# Altium PCB Fri3D_2018_00.PcbDoc (part 1 of 2) (continued)
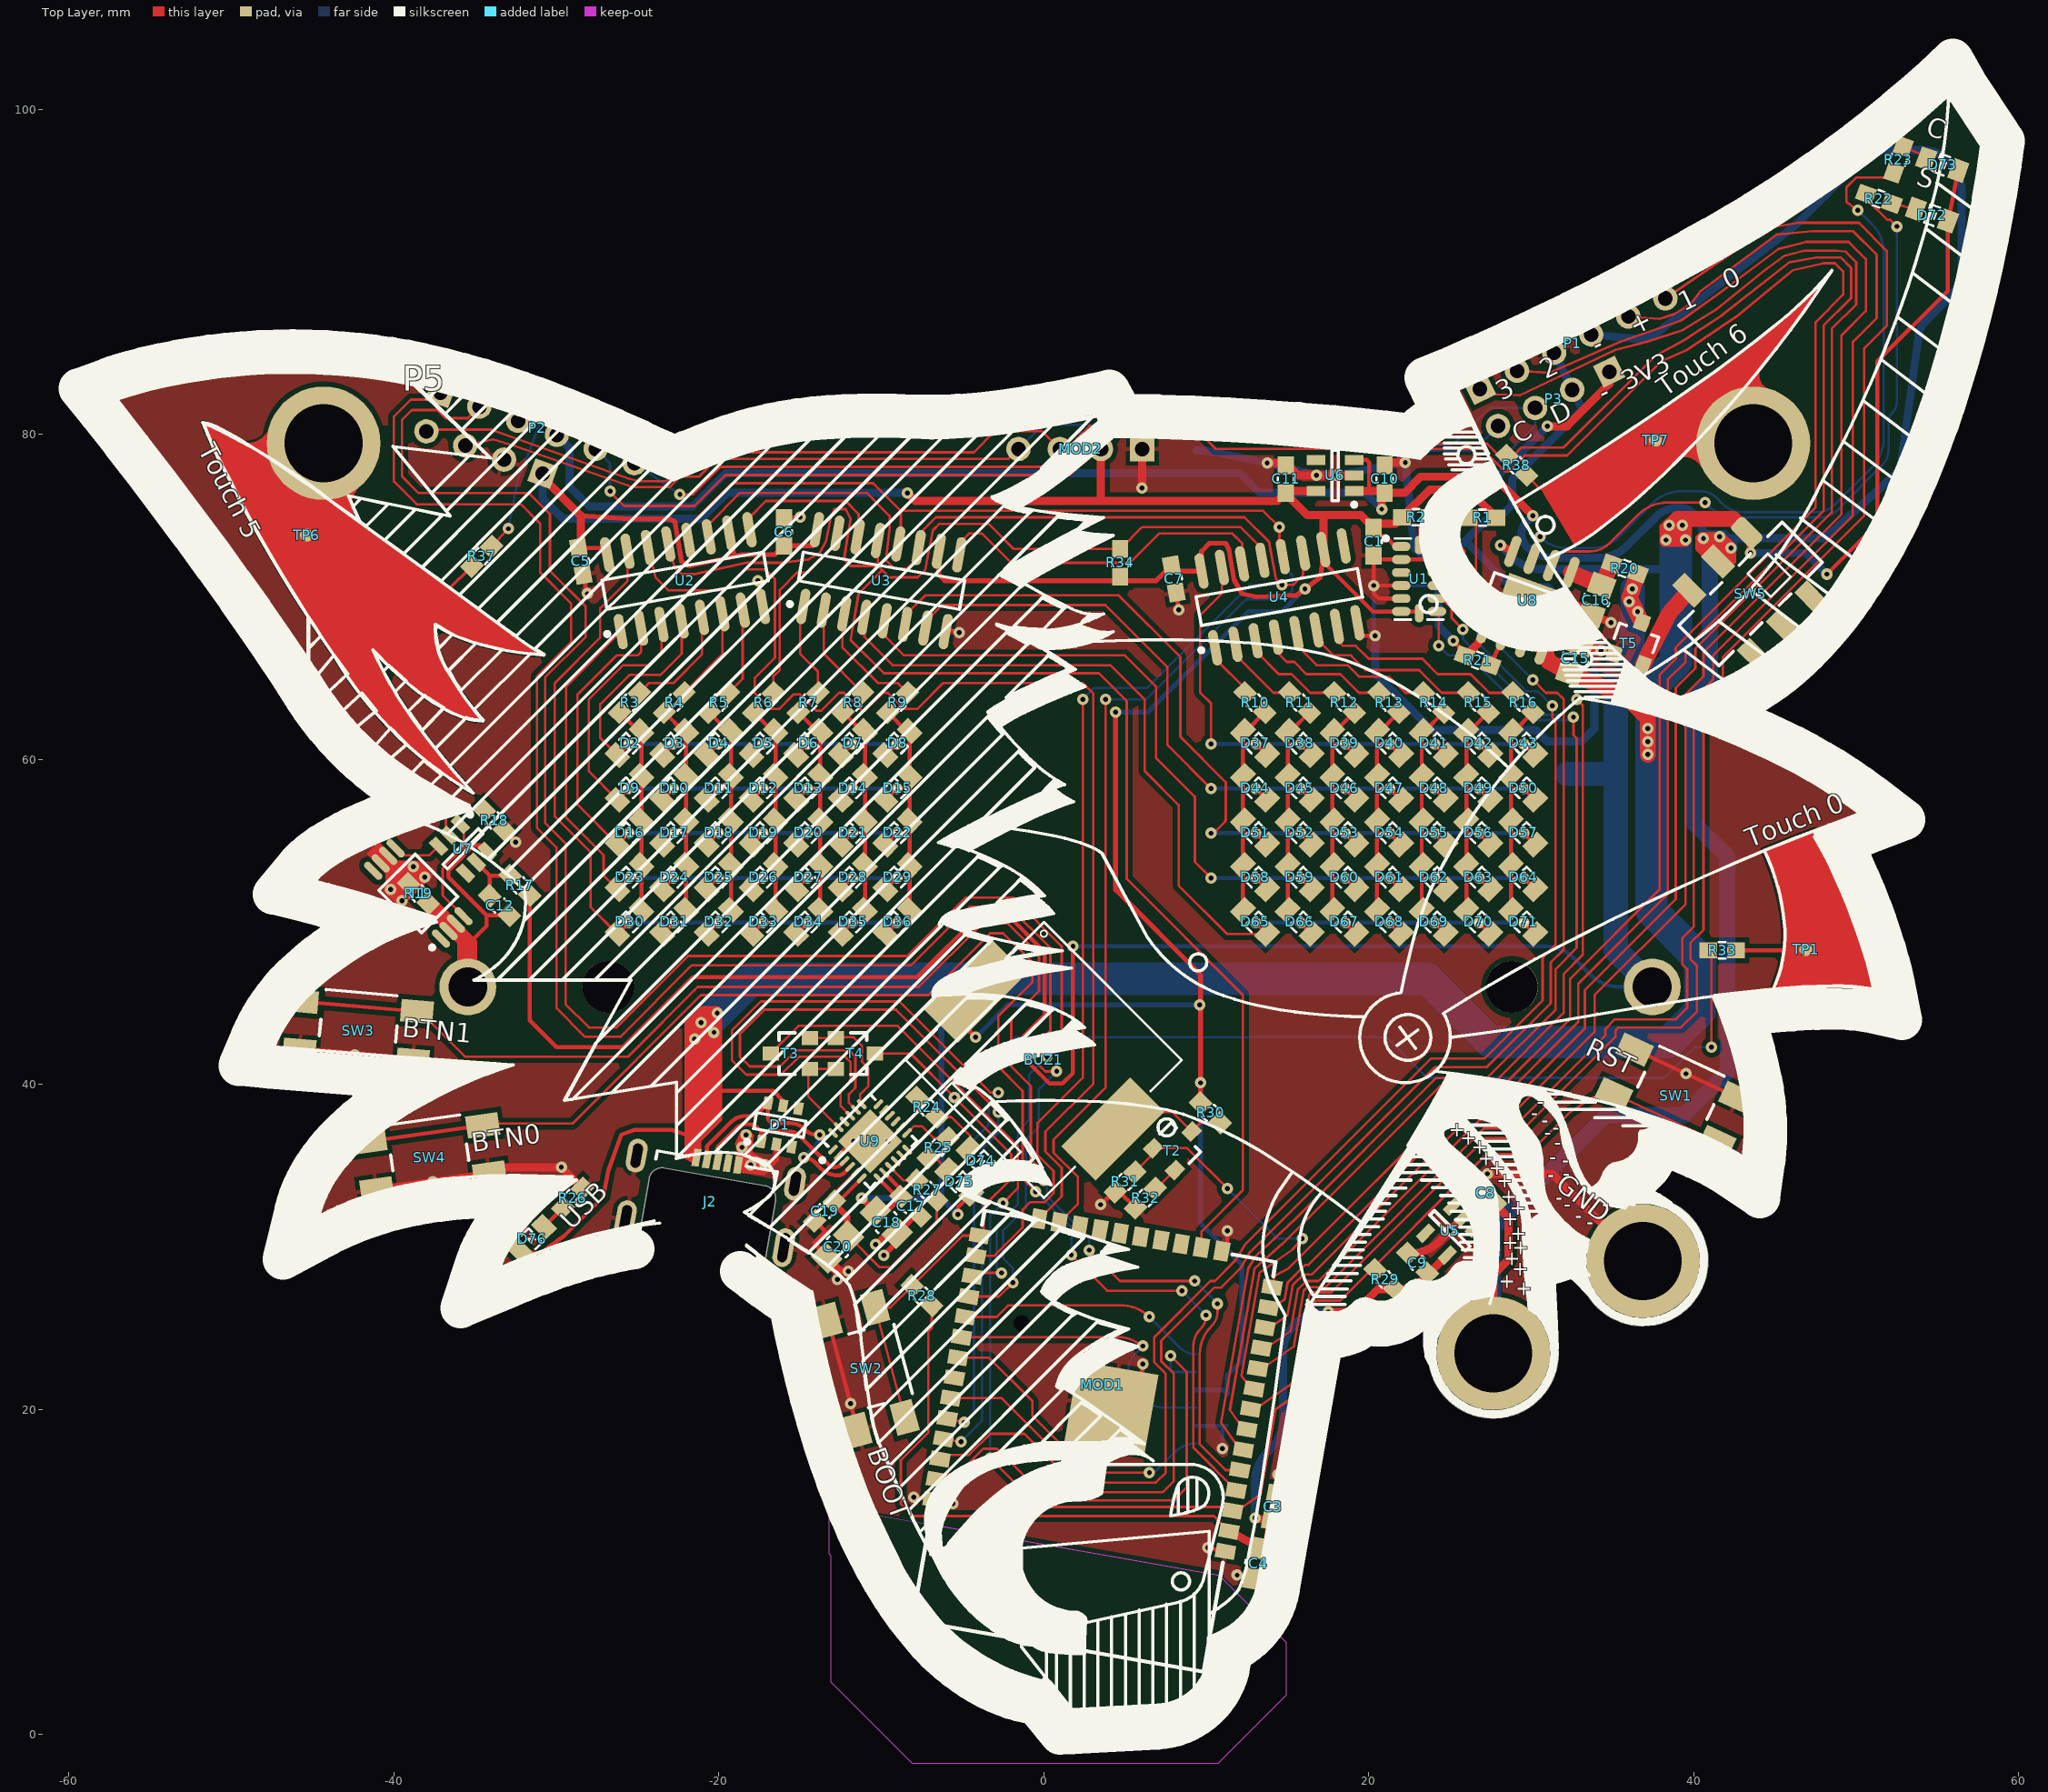
[diagram p0: Top Layer view]
## Components (designator, comment, footprint, x,y, rotation, side; value= is the part's Value field where it differs from the comment) (continued)
R11 "RESISTOR" R0603_N 15.75,63.5 r135 top value=100R
R12 "RESISTOR" R0603_N 18.5,63.5 r135 top value=100R
R13 "RESISTOR" R0603_N 21.25,63.5 r135 top value=100R
R14 "RESISTOR" R0603_N 24,63.5 r135 top value=100R
R15 "RESISTOR" R0603_N 26.75,63.5 r135 top value=100R
R16 "RESISTOR" R0603_N 29.5,63.5 r135 top value=100R
R17 "RESISTOR" R0603_N -32.25,52.25 r135 top value=100R
R18 "" R0603_N -33.826,56.25 r315 top value=1K
R19 "" R0603_N -38.5,51.75 r135 top value=0R
R20 "" R0603_N 35.75,71.75 r160 top value=0R
R21 "RESISTOR" R0603_N 26.7,66.1 r160 top value=1K2
R22 "" R0603_N 51.4,94.5 r160 top value=1K
R23 "" R0603_N 52.6,96.9 r250 top value=1K
R24 "" R0603_N -7.2,38.6 r135 top value=1K
R25 "" R0603_N -6.5,36.1 r45 top value=1K
R26 "" R0603_N -29,33 r45 top value=1K
R27 "" R0603_N -7.194,33.5 r135 top value=1K
R28 "RESISTOR" R0603_N -7.5,27 r135 top value=10K
R29 "RESISTOR" R0603_N 21,28 r135 top value=10K
R30 "" R0603_N 10.25,38.25 r315 top value=1K
R31 "RESISTOR" R0603_N 5,34 r225 top value=10K
R32 "RESISTOR" R0603_N 6.25,33 r225 top value=10K
R33 "RESISTOR" R0603_N 41.75,48.25 r0 top value=100R
R34 "RESISTOR" R0603_N 4.7,72.1 r90 top value=10K
R37 "RESISTOR" R0603_N -34.6,72.5 r225 top value=100R
R38 "RESISTOR" R0603_N 29.1,78.1 r315 top value=100R
SW1 "4.5x4.5mm tact SMD H3,8mm" WE_430181038816#1 38.9,39.3 r155 top value=430181038816
SW2 "4.5x4.5mm tact SMD H3,8mm" WE_430181038816#1 -10.922,22.5 r285 top value=430181038816
SW3 "4.5x4.5mm tact SMD H3,8mm" WE_430181038816#2 -42.2,43.3 r355 top value=430181038816
SW4 "4.5x4.5mm tact SMD H3,8mm" WE_430181038816#1 -37.8,35.5 r8 top value=430181038816
SW5 "Mini slide switch 2P2T" MSS22D18 43.5,70.184 r225 top value=MSS22D18
T1 "Dual N-Ch MOSFET Common Drain" TSSOP_8_65P -38.5,51.75 r135 top value=FS8205A
T2 "0.2A N-Ch MOSFET Vgs 3.2" SOT23-3 8.25,36.25 r315 top value=BSS138
T3 "0.2A N-Ch MOSFET Vgs 3.2" SOT23-3 -15.6,41.9 r90 top value=BSS138
T4 "0.2A N-Ch MOSFET Vgs 3.2" SOT23-3 -11.6,41.9 r270 top value=BSS138
T5 "3.1A P-Ch MOSFET Vgs -1v" SOT23-3 36.4,67.3 r340 top value=Si2301CDS
TP1 "TEST_PAD" TP_0.8mm 46.9,48.3 r90 top value="NO BOM"
TP6 "TEST_PAD" TP_0.8mm -45.375,73.8 r90 top value="NO BOM"
TP7 "TEST_PAD" TP_0.8mm 37.65,79.65 r90 top value="NO BOM"
U1 "3-Axis, ±2 g/±4 g/±8 g/±16 g Digital Accelerometer" AD_CC-14-1 23.1,71.1 r0 top value=ADXL345BCCZ
U2 "8-Bit Shift Registers With 3-State Output Registers" SOIC_N_16 -22.078,71 r100 top value=74HC595
U3 "8-Bit Shift Registers With 3-State Output Registers" SOIC_N_16 -10,71 r80 top value=74HC595
U4 "8-Bit Shift Registers With 3-State Output Registers" SOIC_N_16 14.5,70 r100 top value=74HC595
U5 "3V3 LDO 700mA 50mV" SOT23-5 25,31 r225 top value=XC6210B332MR
U6 "3V3 LDO 700mA 50mV" SOT23-5 17.925,77.475 r180 top value=XC6210B332MR
U7 "DW01-P single cell lithium protection" SOT23-6 -35.75,54.5 r315 top value=DW01-P
U8 "Single Cell LiIon charger max 1A" SOIC_N_8_TH 29.8,69.8 r70 top value=TP4056
U9 "USB to UART 3.3-5V" QFN_24 -10.694,36.5 r45 top value=CP2102N-A01-GQFN24

## Footprints (in the part's own frame and the unit in brackets; to place one, negate y for a bottom-side part, rotate by r counter-clockwise, add the part's x,y. Pads: shape width x height; smd on the part's side, far side on the other; paste and mask are expansions set on the pad)
AD_CC-14-1 [mm] "LGA 14"
  oval 1.145x0.55 smd: 1(-1.098,2) 2(-1.098,1.2) 3(-1.098,0.4) 4(-1.098,-0.4) 5(-1.098,-1.2) 6(-1.098,-2) 8(1.097,-2) 9(1.097,-1.2) 10(1.097,-0.4) 11(1.097,0.4) 12(1.097,1.2) 13(1.097,2)
  oval 0.55x1.145 smd: 7(0,-2.097) 14(0,2.098)
  silkscreen extent -2.18,-2.5 1.5,2.62, body extent -1.5,-2.5 1.5,2.5, height 1
C0603_N [mm] "Low density"
  rect 1.1x1 smd: 1(-0.85,0) 2(0.85,0)
  silkscreen extent -0.1,-0.5 0.1,0.5, body extent -0.8,-0.4 0.8,0.4, height 0.3
C0805_N [mm] "Low density"
  rect 1.3x1.5 smd: 1(-0.95,0) 2(0.95,0)
  silkscreen extent -0.1,-0.8 0.1,0.8, body extent -1,-0.62 1,0.63, height 0.78
CUI_CMT-1203-SMT [mm] "12x12x3mm piezo buzzer"
  rect 3x6 smd: 1(-6,0) 2(6,0)
  silkscreen extent -6,-6 6,6, body extent -6,-6 6,6, height 3.05
ESP-WROOM-32 [mm] "ESP-WROOM-32 Module"
  rect 1.2x0.9 smd: 1(-9.144,9.08) 2(-9.144,7.81) 3(-9.144,6.541) 4(-9.144,5.271) 5(-9.144,4.001) 6(-9.144,2.731) 7(-9.144,1.46) 8(-9.144,0.19) 9(-9.144,-1.079) 10(-9.144,-2.35) 11(-9.144,-3.62) 12(-9.144,-4.889) 13(-9.144,-6.16) 14(-9.144,-7.429) 25(9.144,-7.429) 26(9.144,-6.159) 27(9.144,-4.89) 28(9.144,-3.62) 29(9.144,-2.35) 30(9.144,-1.08) 31(9.144,0.19) 32(9.144,1.46) 33(9.144,2.73) 34(9.144,4) 35(9.144,5.271) 36(9.144,6.54) 37(9.144,7.81) 38(9.144,9.081)
  rect 0.9x1.2 smd: 15(-5.715,-9.08) 16(-4.447,-9.081) 17(-3.177,-9.081) 18(-1.907,-9.08) 19(-0.637,-9.08) 20(0.633,-9.081) 21(1.903,-9.081) 22(3.173,-9.08) 23(4.443,-9.081) 24(5.713,-9.081)
  rect 5x5 smd paste-10: 39(-0.7,1.6)
  Keep-Out Layer region: -9.017,10.605 9.017,10.605 9.017,16.574 -9.017,16.574
  silkscreen extent -9.1,-9 9.1,16.6, body extent -9.02,-8.95 9.02,16.57, height 2
HDR1X4 [mm] "Connector; Header; 4 Position"
  rect 1.5x1.5 hole 0.9: 1(0,0)
  round 1.5 hole 0.9: 2(2.54,0) 3(5.08,0) 4(7.62,0)
  silkscreen extent 8.89,-1.27 8.89,1.27, body extent -1.27,-1.23 8.89,1.27, height 8.2
HDR1X6 [mm] "Connector; Header; 6 Position"
  rect 1.5x1.5 hole 0.9: 1(0,0)
  round 1.5 hole 0.9: 2(2.54,0) 3(5.08,0) 4(7.62,0) 5(10.16,0) 6(12.7,0)
  silkscreen extent -1.27,-1.27 13.97,1.27, body extent -1.27,-1.23 13.97,1.27, height 8.2
LED_0805_BL [mm] "0805 LED BLUE"
  rect 1x1.3 smd: 1(-1.05,0) 2(1.05,0)
  silkscreen extent -0.3,-0.6 0.3,0.6, body extent -1.01,-0.62 1.01,0.62, height 1.1
LED_0805_GR [mm] "0805 LED GREEN"
  rect 1x1.3 smd: 1(-1.05,0) 2(1.05,0)
  silkscreen extent -0.3,-0.6 0.3,0.6, body extent -1.01,-0.62 1.01,0.63, height 1.1
LED_0805_RD [mm] "0805 LED RED"
  rect 1x1.3 smd: 1(-1.05,0) 2(1.05,0)
  silkscreen extent -0.3,-0.6 0.3,0.6, body extent -1.01,-0.62 1.01,0.62, height 1.1
MLX_0476420001 [mm] "Low Profile Micro USB Molex 0476420001"
  rect 0.45x1.1 smd: 1(-1.3,0) 2(-0.65,0) 3(0,0) 4(0.65,0) 5(1.3,0)
  oval 1.2x2.4 hole 0.6 slot 1.8 at 90 deg: MH1(-4.95,-4.52) MH4(4.95,-4.52)
  oval 1.2x2.1 hole 0.6 slot 1.5 at 90 deg: MH2(-4.95,-0.52) MH3(4.95,-0.52)
  silkscreen extent -3.75,-0.55 3.75,0, body extent -5.1,-6.93 5.1,0.3, height 1.82
MPD_BH-18650-PC [mm] "Battery holder for a single 18650 cell"
  round 3.2 hole 3.2 unplated: 0(-27.805,0) 0(27.805,0)
  round 3.5 hole 2.4: 1(36.45,0) 2(-36.45,0)
  silkscreen extent -38.85,-10.45 38.85,10.45, body extent -39.01,-10.4 38.64,10.4, height 23.37
MSS22D18 [mm] "SWITCH, DPDT, 0.1A, 12VDC, SMD"
  rrect50% 1.1x1.95 smd: 1(-2.5,-2.825)
  rect 1.1x1.95 smd: 2(-2.5,2.825) 3(0,-2.825) 4(0,2.825) 5(2.5,-2.825) 6(2.5,2.825)
  silkscreen extent -4.5,-1.75 4.5,1.75, body extent -4.52,-3.25 4.52,3.65, height 5.45
NXP_SOT457 [mm] "NXP SOT457 SOT23-6 package"
  rect 0.8x0.55 smd: 1(-1.2,0.95) 2(-1.2,0) 3(-1.2,-0.95) 4(1.2,-0.95) 5(1.2,0) 6(1.2,0.95)
  silkscreen extent -1.5,-1.55 0.5,1.92, body extent -1.18,-1.46 1.2,1.46, height 0.93
OLED_MOD_0.96_I2C [mm] "=Description"
  rect 1.5x1.5 hole 0.9: 1(-3.81,0)
  round 1.5 hole 0.9: 2(-1.27,0) 3(1.27,0) 4(3.81,0)
  body extent -13.65,-26.53 13.65,1.27, height 7
QFN_24 [mm] "24 pin QFN 4x4mm body"
  oval 0.75x0.25 smd: 1(-1.975,1.25) 2(-1.975,0.75) 3(-1.975,0.25) 4(-1.975,-0.25) 5(-1.975,-0.75) 6(-1.975,-1.25) 13(1.975,-1.25) 14(1.975,-0.75) 15(1.975,-0.25) 16(1.975,0.25) 17(1.975,0.75) 18(1.975,1.25)
  oval 0.25x0.75 smd: 7(-1.25,-1.975) 8(-0.75,-1.975) 9(-0.25,-1.975) 10(0.25,-1.975) 11(0.75,-1.975) 12(1.25,-1.975) 19(1.25,1.975) 20(0.75,1.975) 21(0.25,1.975) 22(-0.25,1.975) 23(-0.75,1.975) 24(-1.25,1.975)
  rect 2.8x2.8 smd paste-10: 25(0,0)
  silkscreen extent -3.02,-2.05 2.05,2.05, body extent -2,-2 2,2, height 0.95
R0603_N [mm] "Low density"
  rect 1.1x1 smd: 1(-0.85,0) 2(0.85,0)
  silkscreen extent -0.2,-0.5 0.2,0.5, body extent -0.8,-0.41 0.8,0.41, height 0.45
SOIC_N_8_TH [mm] "150 mil body width with Exposed Thermal Pad"
  oval 2x0.6 smd: 1(-2.5,1.905) 2(-2.5,0.635) 3(-2.5,-0.635) 4(-2.5,-1.905) 5(2.5,-1.905) 6(2.5,-0.635) 7(2.5,0.635) 8(2.5,1.905)
  rect 2.41x3.3 smd: 9(0,0)
  silkscreen extent -2.52,-2.5 0.9,2.88, body extent -3,-2.45 3,2.45, height 1.75
SOIC_N_16 [mm] "150 mil body width"
  oval 2.2x0.6 smd: 1(-2.4,4.445) 2(-2.4,3.175) 3(-2.4,1.905) 4(-2.4,0.635) 5(-2.4,-0.635) 6(-2.4,-1.905) 7(-2.4,-3.175) 8(-2.4,-4.445) 9(2.4,-4.445) 10(2.4,-3.175) 11(2.4,-1.905) 12(2.4,-0.635) 13(2.4,0.635) 14(2.4,1.905) 15(2.4,3.175) 16(2.4,4.445)
  silkscreen extent -2.52,-5.04 0.9,5.42, body extent -3,-5 3,5, height 1.75
SOT23-3 [mm] "SOT-23; 3 Leads; Body 3.1 x 2.5 mm, inc. leads (LxW max)"
  rect 0.85x1 smd: 1(-0.95,-1.2) 2(0.95,-1.2) 3(0,1.2)
  silkscreen extent -1.27,-0.3 1.28,0.7, body extent -1.5,-1.32 1.5,1.32, height 1.08
SOT23-5 [mm] "SOT23, 5-Leads, Body 3,1x3,2mm (max), Pitch 0,95mm, IPC Medium Density"
  rect 1.15x0.6 smd: 1(-1.175,0.95) 2(-1.175,0) 3(-1.175,-0.95) 4(1.175,-0.95) 5(1.175,0.95)
  silkscreen extent -1.3,-1.55 0.2,1.92, body extent -1.4,-1.45 1.4,1.45, height 1.45
SOT23-6 [mm] "SOT23, 6-Leads, Body 3,1x3,2mm (max), Pitch 0,95mm, IPC Medium Density"
  rect 1.15x0.6 smd: 1(-1.175,0.95) 2(-1.175,0) 3(-1.175,-0.95) 4(1.175,-0.95) 5(1.175,0) 6(1.175,0.95)
  silkscreen extent -1.3,-1.55 0.2,1.92, body extent -1.5,-1.55 1.5,1.55, height 1.4
TFP09-2-12B [mm] "tfp09-2-12b"
  round 0 hole 1 unplated: 0(-4.88,-5.35) 0(3.1,-5.35)
  rect 0.7x2 smd: 1(2.3,5.35) 2(1.2,5.35) 3(0.1,5.35) 4(-1,5.35) 5(-2.1,5.35) 6(-3.2,5.35) 7(-4.3,5.35) 8(-5.4,5.35) 9(-6.5,5.35)
  rect 1.4x1.6 smd: G1(-7.9,4.65)
  rect 1.4x2.4 smd: G2(-7.8,-4.95) G3(7.9,-4.95)
  rect 1.6x1.4 smd: G4(7,4.65)
  silkscreen extent -7.3,-9.35 7.4,5.15, body extent -7.93,-14.65 8.07,5.9, height 1.95
TP_0.8mm [mm] "0.8mm pad"
  round 0.8 smd paste-10 mask+0.05: 1(0,0)
TSSOP_8_65P [mm] "TSOP, 8-Leads, Body 3,00x4,40mm, Pitch 0,65mm,  IPC Medium Density"
  oval 1.4x0.45 smd: 1(-2.95,0.975) 2(-2.95,0.325) 3(-2.95,-0.325) 4(-2.95,-0.975) 5(2.95,-0.975) 6(2.95,-0.325) 7(2.95,0.325) 8(2.95,0.975)
  silkscreen extent -3.07,-1.57 1.85,1.87, body extent -3.2,-1.5 3.2,1.5, height 1.2
WE_430181038816#1 [mm] "Miniature SMD TACT SW"
  rect 2x1.4 smd: 1(-3.5,1.5) 1(3.5,1.5) 2(-3.5,-1.5) 2(3.5,-1.5)
  silkscreen extent -2.35,-2.35 2.35,2.35, body extent -3.75,-2.25 3.75,2.25, height 3.8
WE_430181038816#2 [mm] "Miniature SMD TACT SW"
  rect 1.8x1.4 smd: 1(-3.5,1.5)
  rect 2x1.4 smd: 1(3.5,1.5) 2(-3.5,-1.5) 2(3.5,-1.5)
  silkscreen extent -2.35,-2.35 2.35,2.35, body extent -3.75,-2.25 3.75,2.25, height 3.8
WE_620102131822 [mm]
  rect 1.5x3.4 smd: 1(0,0) 2(2,0)
  rect 1.4x3.1 smd: M1(-2.3,-5.65) M2(4.3,-5.65)
  silkscreen extent -3,-7.23 5,0.37, body extent -3,-7.23 5,1.37, height 5.65

## Part data
BAT1: library part "18650 Battery holder BH-18650-PC", "=Description", Supplier 1=Digikey
BUZ1: library part "BUZ # CUI CMT-1203-SMT", "Crystal Oscillator", Supplier Part Number 1=102-2197-1-ND, Supplier 1=Digikey, Supplier 2=Aliexpress, Supplier Part Number 2=KLJ-1230
C1 C2 C3 C5 C6 C7 C12 C17 C19: library part "CAP # 100nF 16V 0603", "Capacitor Ceramic"
C4 C15 C16 C18 C20: library part "CAP # 10uF 10V 0805", "Capacitor Ceramic", Supplier Part Number 1=2320859, Supplier 1=Farnell
C8 C9 C10 C11: library part "CAP # 1uF 16V 0603", "Capacitor Ceramic", Supplier Part Number 1=2320814, Supplier 1=Farnell
D1: library part "TVS # IP4220CZ6 Dual USB", "=Description", Supplier Part Number 1=2143248, Supplier 1=Farnell
D2 D3 D4 D5 D6 D7 D8 D9 D10 D11 D12 D13 D14 D15 D16 D17 D18 D19 D20 D21 D22 D23 D24 D25 D26 D27 D28 D29 D30 D31 D32 D33 D34 D35 D36 D37 D38 D39 D40 D41 D42 D43 D44 D45 D46 D47 D48 D49 D50 D51 D52 D53 D54 D55 D56 D57 D58 D59 D60 D61 D62 D63 D64 D65 D66 D67 D68 D69 D70 D71 D76: library part "LED # Blue 0805", "=Description", Supplier Part Number 1=2217980, Supplier 1=Farnell
D72 D75: library part "LED # Green 0805", "=Description", Supplier Part Number 1=2099239, Supplier 1=Farnell
D73 D74: library part "LED # Red 0805", "=Description", Supplier Part Number 1=2099236, Supplier 1=Farnell
J1: library part "MicroSD TFP09-2-12B Push-Push", "=Description", Supplier Part Number 1=TFP09-2-12B, Supplier 1=AliExpress
J2: library part "USB # Micro B in-board Molex 0476420001", Supplier Part Number 1=WM1398TR-ND, Supplier 1=Digikey, Supplier 2=Aliexpress, Supplier Part Number 2="Micro USB M033"
MOD1: library part "WiFi # MOD ESP-WROOM-32", "WiFi # MOD ESP-WROOM-32", Supplier Part Number 1=ESP-WROOM-32, Supplier 1=Espressif
MOD2: library part "OLED MOD SSD1306 0.96in I2C 128x64", Supplier 1=Aliexpress
P1 P2: library part "Pin Header 2.54mm 6way"
P3 P5: library part "Pin Header 2.54mm 4way"
P4: library part "HDR # SHR 2.0mm 2way - 620102131822", Supplier 1=Wurth
R1 R2 R18 R22 R23 R24 R25 R26 R27 R30: library part "RES # 1K 0603"
R3 R4 R5 R6 R7 R8 R9 R10 R11 R12 R13 R14 R15 R16 R17 R33 R37 R38: library part "RES # 100R 0603"
R19 R20: library part "RES # 0R 0603", Supplier Part Number 1=2447743, Supplier 1=Farnell
R21: library part "RES # 1K2 0603"
R28 R29 R31 R32 R34: library part "RES # 10K 0603", Supplier Part Number 1=2502397, Supplier 1=Farnell
SW1 SW2 SW3 SW4: library part "SW # TACT small 4.5x4.5mm SMD WS-TASV", Supplier Part Number 1=430181038816, Supplier 1=Wurth
SW5: library part "SW # 2P2T mini slide MSS22D18", Supplier Part Number 1=MSS22D18, Supplier 1=AliExpress
T1: library part "FS8205A Dual N-Ch common Drain for DW01-P", "=Description", Supplier Part Number 1=FS8205A, Supplier 1=AliExpress
T2 T3 T4: library part "BSS138 N-Ch MOSFET 0.2A 3.2Vgs 60Vds", Supplier Part Number 1=2432717, Supplier 1=Farnell
T5: library part "Si2301CDS P-Ch MOSFET 3.1A", "=Description", Supplier Part Number 1=Si2301CDS, Supplier 1=AliExpress
TP1 TP6 TP7: library part "TP # 0.8mm"
U1: library part "ACCELERO # ADXL345", "=Description", Supplier Part Number 1=1853935, Supplier 1=Farnell, Supplier 2=Digikey, Supplier Part Number 2=ADXL345BCCZ-ND
U2 U3 U4: library part "IOEXP # SHIFT 74HC595 8-bit", "=Description", Supplier Part Number 1=1278491, Supplier 1=Farnell
U5 U6: library part "LDO # 3V3 XC6210B33", "=Designator", Supplier Part Number 1=1057803, Supplier 1=Farnell
U7: library part "PWR # DW01-P Lithium protection", "=Description", Supplier Part Number 1=DW01-P, Supplier 1=Aliexpress
U8: library part "CHG # TP4056 LiIon 1A", "=Description", Supplier Part Number 1=TP4056, Supplier 1=Aliexpress
U9: library part "CP2102N # QFN24 USB UART", "=Description", Supplier Part Number 1=2577278, Supplier 1=Farnell, Supplier 2=Digikey, Supplier Part Number 2=336-3693-ND

## Free pads (board coordinates)
  round 7 hole 4.8: 0(-44.333,79.456) 0(27.667,23.456) 0(36.873,29.136) 0(43.667,79.456)

## Via types
v1: diameter 0.7, hole 0.3, Top Layer to Bottom Layer, tented top, 207 vias

## Nets (pads, with @x,y where several pads share a name; then routed paths per layer and width w, separated by ;. In a path a pad name is that pad's centre, name@x,y a point inside that pad or via, vN(x,y) a via of type N, cw(c..) or ccw(c..) an arc to the next point about the centre after c; other vN are vias at no path point)
3V3_AUX: BUZ1.1 C1.1 C2.1 C5.1 C6.1 C7.1 C11.1 J1.4 MOD2.2 P3.1 P5.1 R1.1 R2.1 R30.1 R34.1 U1.1 U1.6 U1.7 U2.10 U2.16 U3.10 U3.16 U4.10 U4.16 U6.5 | length 234.6
  Top Layer w0.25: C5.1@-28.648,73 -27,73 -26.872,72.872 U2.16@-26.872,72.592 ; C11.1@14.825,76.425 C11.1@14.9,76.425 ; U4.10@17.21,72.915 17.21,72.151 20.261,69.1 U1.6@22.003,69.1 23.003,69.1 U1.7@23.1,69.003 ; C1.1@20.3,74.25 20.999,73.551 21.199,73.551 21.65,73.1 U1.1@22.003,73.1
  Top Layer w0.3: -28.5,75 -25.5,74.8 -23.037,74.8 -22.8,74.681 -22.7,74.6 -22.3,72.2 -21.8,71.9 -20.1,72.263 -19.045,72.5 ; U2.10@-19.23,73.23 U2.10@-19.23,73.312 ; U3.16@-13.961,74.135 -13.961,73.439 -14.25,73.15 C6.1@-16,73.15 -16.55,72.6 -18.6,72.6 -19.045,72.5 ; U3.10@-6.456,72.812 -6.456,71.356 -6.1,71 6.915,71 C7.1@7.852,71.937 8.198,71.592 U4.16@9.706,71.592 9.706,72.806 10.2,73.3 11.2,73.3 11.4,72.9 11.701,71.07 12.2,70.2 13.1,70 15.542,70.1 v1(16.072,70.5) 17,71.2 17.1,71.7 U4.10@17.21,72.915 ; BUZ1.1@-4.243,45.743 -4.8,43.5 v1(-4.2,42.9) ; v1(4.425,62.9) 4.425,51.975 9.649,46.751 v1(9.649,40.1) R30.1@9.649,38.851 ; U2.10@-19.23,73.312 -19.23,73.777 U2.10@-19.368,73.915 U2.10@-19.23,73.312 ; U2.10@-19.23,73.312 -19.045,72.5
  Top Layer w0.5: P5.1@-30.839,77.582 -30.839,77.339 -28.5,75 -28.5,73.185 C5.1@-28.648,73.037 ; v1(-8.4,76.4) -7.9,75.9 3.52,75.9 ; MOD2.2@3.52,79.1 3.52,75.9 ; C11.1@14.825,76.425 C11.1@14.85,76.4 ; C11.1@14.9,76.4 C11.1@14.85,76.4 ; C11.1@14.9,76.425 15,76.525 U6.5@16.75,76.525 ; U4.10@17.21,72.915 17.21,75.025 ; R1.1@27.85,74.875 26.625,76.1 v1(26.625,76.132) 26.625,76.175 26.2,76.6 23.75,76.6 R2.1@22.05,74.9 21.65,74.5 20.55,74.5 C1.1@20.3,74.25 19.525,75.025 17.21,75.025 ; v1(30.993,80.5) 32.2,80.5 34.8,83.1 34.8,83.863 P3.1@34.606,84.057 ; 3.52,75.9 14.35,75.9 C11.1@14.85,76.4 ; C11.1@14.85,76.4 14.875,76.375 16.225,75.025 17.21,75.025
  Bottom Layer w0.3: v1(-4.2,42.9) -2.2,44.9 v1(9.6,44.9) ; v1(4.425,62.9) 6.4,62.9 12.6,69.1 14.672,69.1 v1(16.072,70.5) ; J1.4@9.35,21.2 11.05,21.2 11.3,20.95 11.3,22.1 12.2,23 12.2,28.9 9.649,31.451 v1(9.649,40.1)
  Bottom Layer w0.5: P5.1@-30.839,77.582 -30.839,76.039 -29.604,74.804 -21.096,74.804 -19.5,76.4 v1(-8.4,76.4) ; v1(26.625,76.132) v1(30.993,80.5)
3V3_ESP: C3.1 C4.1 C9.1 MOD1.2 R28.1 R29.1 U5.5 | length 62.8
  Top Layer w0.15: R28.1@-6.899,26.399 -6.899,25.001 -7.1,24.8 -7.1,18.588 -8.8,16.888 -8.8,14.2 -8.034,13.434 10.476,13.434 MOD1.2@11.399,12.511
  Top Layer w0.5: MOD1.2@11.399,12.511 C4.1@13.365,11.436 13.584,11.496 13.729,11.751 C3.1@13.952,13.163 v1(13,13.3) ; v1(17.5,26) 19.174,26 20.573,27.399 R29.1@21.601,27.399 22.742,27.399 U5.5@24.841,29.497
  Bottom Layer w0.5: v1(13,13.3) 13,15.548 cw(c15.54,15.548) 13.744,17.344 13.978,17.578 ccw(c12.182,19.374) 14.722,19.374 14.722,23.46 cw(c17.262,23.46) 17.262,26 v1(17.5,26) v1@17.5,25.89
3V3_USB: C19.1 C20.2 R27.1 U9.5 U9.6 | length 16.4
  Top Layer w0.15: C19.1@-12.843,32.601 C19.1@-12.826,32.601 ; C20.2@-12.023,30.672 -10.101,28.75 -9.444,28.75 -6.594,31.601 R27.1@-6.594,32.899
  Top Layer w0.25: C19.1@-12.843,32.601 -13.093,32.601 -13.093,33.04 U9.5@-11.561,34.573 ; C19.1@-12.826,32.601 U9.6@-11.207,34.22
  Top Layer w0.4: C19.1@-13.093,32.601 -12.834,32.601 -12.1,31.867 -12.1,31.156 -12.023,31.078 C20.2@-12.023,30.672
ACC.INT1: MOD1.6 U1.8 | length 68.5
  Top Layer w0.15: MOD1.6@12.281,17.514 12.047,17.555 10.917,19.169 12.594,28.682 13.058,29.445 15.512,31.746 24.16,40.395 27.295,40.395 31.5,44.6 31.5,47.1 32.8,48.4 32.8,61.3 32.6,61.5 v1(32.6,62.6) ; U1.8@24.198,69.1 24.3,68.998 v1(24.3,67)
  Bottom Layer w0.15: v1(24.3,67) 24.9,66.4 26.118,66.4 30.093,62.425 32.425,62.425 v1(32.6,62.6)
ACC.INT2: MOD1.7 U1.9 | length 68.6
  Top Layer w0.15: MOD1.7@12.501,18.765 12.267,18.806 11.449,19.975 12.984,28.681 14.704,30.204 24.4,39.9 27.5,39.9 31.995,44.395 31.995,46.795 33.175,47.975 33.175,63.325 v1(32.8,63.7) ; U1.9@24.198,69.9 24.5,69.9 25.1,69.3 25.1,68.7 v1(25.8,68)
  Bottom Layer w0.15: v1(25.8,68) 25.8,67.4 29.5,63.7 29.8,63.7 30.775,62.725 31.825,62.725 v1(32.8,63.7)
BTN.0: MOD1.4 SW4.1 | length 89.2
  Top Layer w0.15: SW4.1@-34.543,37.473 -34.543,37.586 -29.014,37.586 -21.1,45.5 -7.1,45.5 -3.3,49.3 -2.5,49.3 -0.7,47.5 -0.7,46.3 -2.8,44.2 -2.8,41.1 -1.3,39.6 -1.3,34.2 v1@-0.5,33.4 ; v1(1.693,29.5) 3.893,27.3 v1(8.493,27.3) ; v1(9.993,25.8) cw(c8.769,25.8) 9.634,24.934 ccw(c10.683,23.886) 9.2,23.886 9.2,17.652 MOD1.4@11.84,15.012
  Top Layer w0.25: SW4.1@-41.475,36.498 SW4.1@-34.543,37.473
  Bottom Layer w0.15: v1(-0.507,33.4) 1.7,31.193 v1@1.7,29.5 ; v1(8.493,27.3) v1(9.993,25.8)
BTN.1: MOD1.5 SW3.1 | length 92.8
  Top Layer w0.15: SW3.1@-38.389,44.489 -35.6,41.7 -25.6,41.7 -21.3,46 -7.7,46 -3.8,49.9 -2.2,49.9 -0.3,48 -0.3,45.755 -2,44.055 -2,41.1 -0.8,39.9 -0.8,35.4 0,34.6 v1@0,34.1 ; v1(2.793,29.8) 4.693,27.9 v1(9.293,27.9) ; v1(10.693,26.5) 10.693,26.049 cw(c9.351,26.049) 10.3,25.1 ccw(c11.99,23.41) 9.6,23.41 9.6,17.852 11.189,16.263 MOD1.5@12.06,16.263
  Top Layer w0.25: SW3.1@-45.556,45.099 SW3.1@-38.583,44.489 SW3.1@-38.389,44.489
  Bottom Layer w0.15: v1(-0.007,34.1) 0.2,33.893 0.2,33.117 2.8,30.517 v1@2.8,29.8 ; v1(9.293,27.9) v1(10.693,26.5)
BUZZER: MOD1.9 R31.1 T2.1 | length 24.4
  Top Layer w0.15: R31.1@5.601,34.601 6.73,35.73 T2.1@6.73,36.073 8.827,36.073 v1@11.3,33.6 ; MOD1.9@12.943,21.266 12.708,21.307 12.173,22.071 13.294,28.425 15.3,29.83 v1(15.904,30.522)
  Bottom Layer w0.15: v1(11.293,33.6) 14.371,30.522 v1(15.904,30.522)
CP2102.DTR: T3.1 T4.2 U9.23 | length 6.1
  Top Layer w0.15: T4.2@-12.8,40.95 -14.5,40.95 -14.5,39.245 U9.23@-12.621,37.366
CP2102.RTS: T3.2 T4.1 U9.19 | length 7.4
  Top Layer w0.15: T3.2@-14.4,42.85 T4.1@-12.75,42.85 ; T4.1@-12.7,42.9 -11.7,42.9 -11.2,42.4 -11.2,41.4 -10.8,41 -10.8,39.9 -11.3,39.4 -11.3,38.873 U9.19@-11.207,38.78
ESP.BOOT: MOD1.25 R28.2 R33.1 SW2.1 T4.3 | length 88.3
  Top Layer w0.15: T4.3@-10.4,41.9 -8.2,41.9 v1(-5.5,39.2) -2,35.7 -2,34.2 -3.7,32.5 -3.7,30.79 -3.605,30.695 MOD1.25@-3.965,30.695 -5.007,30.695 R28.2@-8.101,27.601 -9.433,26.269 SW2.1@-10.379,26.269 SW2.1@-8.568,19.507 ; R33.1@40.9,48.25 41.1,48.05 v1(41.1,42.3)
  Bottom Layer w0.15: v1(-5.5,39.2) -1.8,42.9 21.1,42.9 23.6,40.4 38.2,40.4 40.1,42.3 v1(41.1,42.3)
ESP.RESET: MOD1.3 R29.2 SW1.1 T3.3 | length 100.5
  Top Layer w0.15: T3.3@-16.8,41.9 -15.1,43.6 -9,43.6 -1.6,36.2 -1.6,33.6 v1@-2.504,32.696 ; v1(-3.3,17) -0.3,14 11.381,14 MOD1.3@11.619,13.762 11.854,13.72 13.334,14.757 14.256,19.989 15.653,20.967 16.645,26.591 16.8,26.7 18.245,26.7 27.245,35.7 29.8,35.7 32.4,38.3 33.8,39.2 SW1.1@35.094,39.42 SW1.1@41.438,36.461
  Bottom Layer w0.15: v1(-3.3,17) -3.3,31.9 v1@-2.5,32.7
  other v1: -2.507,32.7
GBAT: BAT1.2 C12.2 R19.1 T1.2 T1.3 U7.6 | length 21
  Top Layer w0.25: -36.319,53.471 -36.319,53.481 ; BAT1.2@-35.45,46 -35.45,48.24 ; U7.6@-34.247,54.341 -34.606,54.7 -35.1,54.7 -36.319,53.481 ; C12.2@-32.899,50.399 -34.299,50.399 ; -36.319,53.481 -36.65,53.15 -36.65,52.75 -34.299,50.399 ; -35.45,48.24 T1.2@-36.644,49.434 -37.899,50.689 R19.1@-37.899,51.149 -37.439,51.149 T1.3@-36.184,49.894 -35.45,49.16 -35.45,48.6 ; -35.45,48.24 -35.45,48.6 ; -35.45,48.6 -34.299,49.751 -34.299,50.399
GND: C1.2 C2.2 C3.2 C4.2 C5.2 C6.2 C7.2 C8.2 C9.2 C10.2 C11.2 C15.2 C16.2 C17.2 C18.1 C19.2 C20.1 D1.2 J1.6 J1.G1 J1.G2 J1.G3 J1.G4 J2.5 J2.MH1 J2.MH2 J2.MH3 J2.MH4 MOD1.1 MOD1.15 MOD1.38 MOD1.39 MOD2.1 P1.3 P2.3 P3.2 P4.2 P5.2 pad.0@36.873,29.136 R18.2 R19.2 R21.2 R26.2 R31.2 R32.2 SW1.2 SW2.2 SW3.2 SW4.2 T1.6 T1.7 T5.1 U1.2 U1.4 U1.5 U1.12 U2.8 U3.8 U4.8 U5.2 U6.2 U8.1 U8.3 U8.9 U9.2 U9.25 | length 222.6
  Top Layer w0.25: R18.2@-33.225,55.649 -32.5,54.924 v1(-32.5,54.9) ; C5.2@-28.352,71.363 v1(-28.1,70.2) ; v1(-17.6,71) U2.8@-17.284,69.408 ; C6.2@-16,74.85 v1(-15,74.9) ; C19.2@-14.095,31.599 -13.437,30.94 -14.127,30.25 -13.366,29.489 C20.1@-13.366,29.328 ; SW2.2@-13.277,25.493 v1(-11.9,20.353) SW2.2@-11.465,18.731 ; U9.2@-12.621,35.634 -11.755,36.5 v1(-11.707,36.5) U9.25@-10.694,36.5 ; v1(-8,14.6) MOD1.38@-6.832,14.436 v1(-5.6,14.2) ; U3.8@-6.039,67.865 -5.9,68 v1(-5.2,67.8) ; v1(3.3,23.3) 3.1,22.5 MOD1.39@4.162,20.093 6,22 v1(6.1,22.8) ; v1(3.5,32.6) 4.299,33.399 R31.2@4.399,33.399 4.649,33.399 R32.2@5.649,32.399 ; C7.2@8.148,70.263 v1(8.3,69.2) ; v1(10.1,11.5) MOD1.1@11.178,11.26 ; MOD1.15@10.955,29.741 11.3,30.086 v1(11.3,31) ; v1(11.9,9.8) C4.2@13.035,9.564 ; C3.2@14.248,14.837 14.3,15.3 v1(14.4,16) ; U4.8@19.294,68.408 19.214,68.058 19.5,67.6 v1(20.4,67.6) ; U1.5@22.003,69.9 20.6,69.9 20.3,70.2 v1(20.3,70.7) ; U1.4@22.003,70.7 v1(20.3,70.7) ; U1.12@24.198,72.3 U1.2@22.003,72.3 20.55,72.3 C1.2@20.3,72.55 v1(20.3,70.7) ; v1(25.2,67.3) 25.5,67 R21.2@25.901,66.391 ; SW1.2@36.362,42.139 v1(39.534,40.659) SW1.2@42.706,39.18
  Top Layer w0.3: v1(-18.325,36.9) v1(-18.575,36.125) J2.5@-18.815,35.042 v1(-18.05,35.042) v1(-17.15,35.042) -16.808,35.042 -16.458,35.392 D1.2@-16.458,36.318
  Top Layer w0.35: v1(-12.694,28) -12.694,28.307 -13.366,28.979 C20.1@-13.366,29.328 -13.258,29.328 -12.43,28.5 v1(-12.023,28.5) ; v1(-10.351,30.156) -9.679,30.828 C18.1@-9.023,30.828 ; v1(-9.851,29.485) -9.023,30.313 C18.1@-9.023,30.828 ; C17.2@-7.594,31.899 -7.952,31.899 C18.1@-9.023,30.828
  Top Layer w0.5: SW3.2@-45.817,42.111 v1(-42.407,41.812) SW3.2@-38.844,41.501 ; SW4.2@-41.057,33.527 v1(-37.598,34.015) SW4.2@-34.125,34.502 -33.727,34.9 v1(-29.698,34.9) R26.2@-28.399,33.601 ; v1@6.06,76.71 MOD2.1@6.06,79.1 ; v1(13.75,78.25) 14.9,78.25 14.925,78.225 15.675,77.475 v1(16.775,77.475) v1(18.025,77.475) U6.2@19.1,77.475 ; C10.2@20.925,78.325 20.975,78.275 v1(22.25,78.275) ; C9.2@22.399,29.6 22.548,29.6 ccw(c22.548,32.14) 24.344,30.344 U5.2@25.831,31.831 ; R21.2@25.901,66.391 26.5,66.9 26.7,67.1 U8.1@27.155,68.102 27.5,69 U8.9@29.8,69.8 29.9,68.2 U8.3@29.542,67.234 ; C8.2@26.7,33.9 v1(27.3,34.5) 31.3,34.5 pad.0@36.9,28.9 ; C15.2@33.025,67.093 34.308,66.724 T5.1@35.097,66.497 ; C16.2@33.675,68.907 v1(34.9,68.428)
  Top Layer w1: U8.9@29.8,69.8 30.9,69.9 v1(32.2,69.435) C16.2@33.675,68.907 C15.2@33.025,67.093
  Bottom Layer w0.25: J1.6@9.35,19 11.25,19 11,18.75 v1(11,17.6) ; v1(20.4,67.6) 20.3,67.7 v1(20.3,70.7) 24.3,70.7
  Bottom Layer w0.5: 9.398,79.015 10,79 v1(13.75,78.25) v1(16.775,77.475) v1(18.025,77.475) v1(22.25,78.275) 22.8,73 24.3,71.8 ; v1(20.4,67.6) 20.4,65.3 23.9,61.8 30.3,61.8 31,61.1 P4.2@32.2,61.1 33.1,61.1 33.9,61.9 33.9,66.297 v1(34.3,66.697) 34.3,67.335 v1(32.2,69.435) 31.035,70.6 28.8,70.6 26,73.4 25.9,73.4 ; v1(25.2,67.3) 24.3,68.2 24.3,70.7 24.3,71.8 ; P1.3@31.21,85.227 31.38,85.004 31.547,84.787 32.539,82.752 33.133,81.533 28.822,77.222 28.822,75.653 28.07,74.9 27.4,74.9 25.9,73.4 ; 24.3,71.8 25.9,73.4
  other v1: 24.993,31 -9.607,36.49 -39.5,51.3 -40.207,52 -38.1,52.75 -38.807,53.4 6.05,76.7
I2C.SCL: MOD1.36 MOD2.3 P3.4 P5.4 R2.2 U1.14 | length 169.8
  Top Layer w0.15: P5.4@-37.999,80.188 -37.999,80.294 -33.994,80.294 -25.5,77.256 -24.9,77.122 -23.241,77.122 -22.564,77.8 -21.7,77.8 -20.6,78.9 -4.3,78.9 -3,80.2 -0.12,80.2 MOD2.3@0.98,79.1 ; MOD1.36@-6.391,16.937 -6.128,17.2 -4.6,17.2 -3.3,18.5 -1.2,18.5 2.4,14.9 7.3,14.9 8,15.6 8,22.187 7.225,22.962 7.225,24.225 10.5,27.5 10.919,27.5 12.119,28.7 12.2,28.839 12.7,29.7 24.062,41.062 27.262,41.062 31.2,45 31.2,47.5 32,48.3 32,63.7 31.6,64.1 30.901,64.1 v1@30.101,64.9 ; U1.14@23.1,73.198 23.1,74.25 R2.2@23.75,74.9 23.845,74.9 25.9,72.845 v1@25.9,70.8
  Bottom Layer w0.15: MOD2.3@0.98,79.1 1.98,80.1 8.2,80.1 20,79.257 22.7,79 26.457,79 ; v1(24.638,74.1) 24.625,74.113 24.625,76.368 26.457,78.2 26.457,79 ; v1@25.893,70.9 25.893,70.807 27.4,69.3 27.4,67.594 v1(30.094,64.9) ; P3.4@27.957,80.5 26.457,79
  other v1: 25.893,70.8
I2C.SDA: MOD1.33 MOD2.4 P3.3 P5.3 R1.2 U1.13 | length 173.4
  Top Layer w0.15: P5.3@-35.612,79.319 -33.9,79.7 -32.526,79.274 -25.3,76.754 -23.046,76.754 -22.4,77.4 -21.22,77.4 -20.12,78.5 -2.16,78.5 MOD2.4@-1.56,79.1 ; MOD1.33@-5.729,20.69 -2.59,20.69 2.6,15.5 6.9,15.5 7.5,16.1 7.5,22.2 6.8,22.9 6.8,24.445 10.255,27.9 10.519,27.9 11.819,29.2 11.9,29.334 12.4,30.161 23.839,41.6 27.139,41.6 30.7,45.161 30.7,47.8 31.5,48.6 31.5,62.4 31.3,62.6 v1@31.3,63.3 ; U1.13@24.198,73.1 24.402,73.1 24.995,72.507 24.995,72.405 25,72.4 25,70.293 v1(25.693,69.6) 25.7,69.6 26.6,70.5 26.6,74.953 R1.2@26.125,74.953 ; v1(25.2,75.778) R1.2@26.15,74.875
  Bottom Layer w0.15: MOD2.4@-1.56,79.1 -0.074,80.586 8.138,80.586 21.6,79.504 22.807,79.382 23.575,79.3 25.05,79.35 25.33,79.504 27.456,81.631 P3.3@30.24,81.631 30.24,80.54 27.9,78.2 27.4,78.2 25.2,76 v1(25.2,75.778) ; v1(25.693,69.6) 26.7,68.593 26.7,67.2 29.7,64.2 30.393,64.2 v1(31.293,63.3) v1@31.3,63.3
NetBUZ1_2: BUZ1.2 R30.2 T2.3 | length 7.8
  Top Layer w0.15: BUZ1.2@4.243,37.257 5.285,38.3 7.897,38.3 T2.3@9.099,37.099 9.649,37.649 R30.2@10.851,37.649
NetC12_1: C12.1 R17.2 U7.5 | length 3.7
  Top Layer w0.25: U7.5@-34.919,53.669 -34.101,52.851 ; C12.1@-34.101,51.601 -34.101,52.851 ; R17.2@-32.851,52.851 -34.101,52.851
NetC16_1: C16.1 R20.2 U8.5 | length 3.5
  Top Layer w1: U8.5@32.445,71.498 C16.1@34.325,70.693 R20.2@34.951,72.041
NetD2_2: D2.2 D9.2 D16.2 D23.2 D30.2 R3.1 | length 12.6
  Top Layer w0.25: R3.1@-26.101,62.899 D2.2@-24.945,61.743 ; D30.2@-24.758,50.742 D23.2@-24.758,53.492 D16.2@-24.758,56.242 D9.2@-24.758,58.992 D2.2@-24.758,61.742
NetD3_2: D3.2 D10.2 D17.2 D24.2 D31.2 R4.1 | length 12.6
  Top Layer w0.25: R4.1@-23.351,62.899 D3.2@-22.195,61.743 ; D31.2@-22.008,50.742 D24.2@-22.008,53.492 D17.2@-22.008,56.242 D10.2@-22.008,58.992 D3.2@-22.008,61.742
NetD4_2: D4.2 D11.2 D18.2 D25.2 D32.2 R5.1 | length 12.6
  Top Layer w0.25: R5.1@-20.601,62.899 D4.2@-19.445,61.743 ; D32.2@-19.258,50.742 D25.2@-19.258,53.492 D18.2@-19.258,56.242 D11.2@-19.258,58.992 D4.2@-19.258,61.742
NetD5_2: D5.2 D12.2 D19.2 D26.2 D33.2 R6.1 | length 12.6
  Top Layer w0.25: R6.1@-17.851,62.899 D5.2@-16.695,61.743 ; D33.2@-16.508,50.742 D26.2@-16.508,53.492 D19.2@-16.508,56.242 D12.2@-16.508,58.992 D5.2@-16.508,61.742
NetD6_2: D6.2 D13.2 D20.2 D27.2 D34.2 R7.1 | length 12.6
  Top Layer w0.25: R7.1@-15.101,62.899 D6.2@-13.945,61.743 ; D34.2@-13.758,50.742 D27.2@-13.758,53.492 D20.2@-13.758,56.242 D13.2@-13.758,58.992 D6.2@-13.758,61.742
NetD7_2: D7.2 D14.2 D21.2 D28.2 D35.2 R8.1 | length 12.6
  Top Layer w0.25: R8.1@-12.351,62.899 D7.2@-11.195,61.743 ; D35.2@-11.008,50.742 D28.2@-11.008,53.492 D21.2@-11.008,56.242 D14.2@-11.008,58.992 D7.2@-11.008,61.742
NetD8_2: D8.2 D15.2 D22.2 D29.2 D36.2 R9.1 | length 12.6
  Top Layer w0.25: R9.1@-9.601,62.899 D8.2@-8.445,61.743 ; D36.2@-8.258,50.742 D29.2@-8.258,53.492 D22.2@-8.258,56.242 D15.2@-8.258,58.992 D8.2@-8.258,61.742
NetD37_2: D37.2 D44.2 D51.2 D58.2 D65.2 R10.1 | length 12.8
  Top Layer w0.25: D65.2@12.258,50.742 D58.2@12.258,53.492 D51.2@12.258,56.242 D44.2@12.258,58.992 D37.2@12.258,61.742 12.444,61.742 R10.1@13.601,62.899
NetD38_2: D38.2 D45.2 D52.2 D59.2 D66.2 R11.1 | length 12.8
  Top Layer w0.25: D66.2@15.008,50.742 D59.2@15.008,53.492 D52.2@15.008,56.242 D45.2@15.008,58.992 D38.2@15.008,61.742 15.194,61.742 R11.1@16.351,62.899
NetD39_2: D39.2 D46.2 D53.2 D60.2 D67.2 R12.1 | length 12.8
  Top Layer w0.25: D67.2@17.758,50.742 D60.2@17.758,53.492 D53.2@17.758,56.242 D46.2@17.758,58.992 D39.2@17.758,61.742 17.944,61.742 R12.1@19.101,62.899
NetD40_2: D40.2 D47.2 D54.2 D61.2 D68.2 R13.1 | length 12.8
  Top Layer w0.25: D68.2@20.508,50.742 D61.2@20.508,53.492 D54.2@20.508,56.242 D47.2@20.508,58.992 D40.2@20.508,61.742 20.694,61.742 R13.1@21.851,62.899